# Altium PCB Calipso V2.0 REV4.2.PcbDoc (part 5 of 5)
Units mm, origin at the board's own origin, x right, y up, seen from the top; angles counter-clockwise.
Board outline 192.5 x 156.5 mm, 2 copper layers (Top Layer, Bottom Layer); 418 components, 329 nets, 1534 pads, 1623 vias.
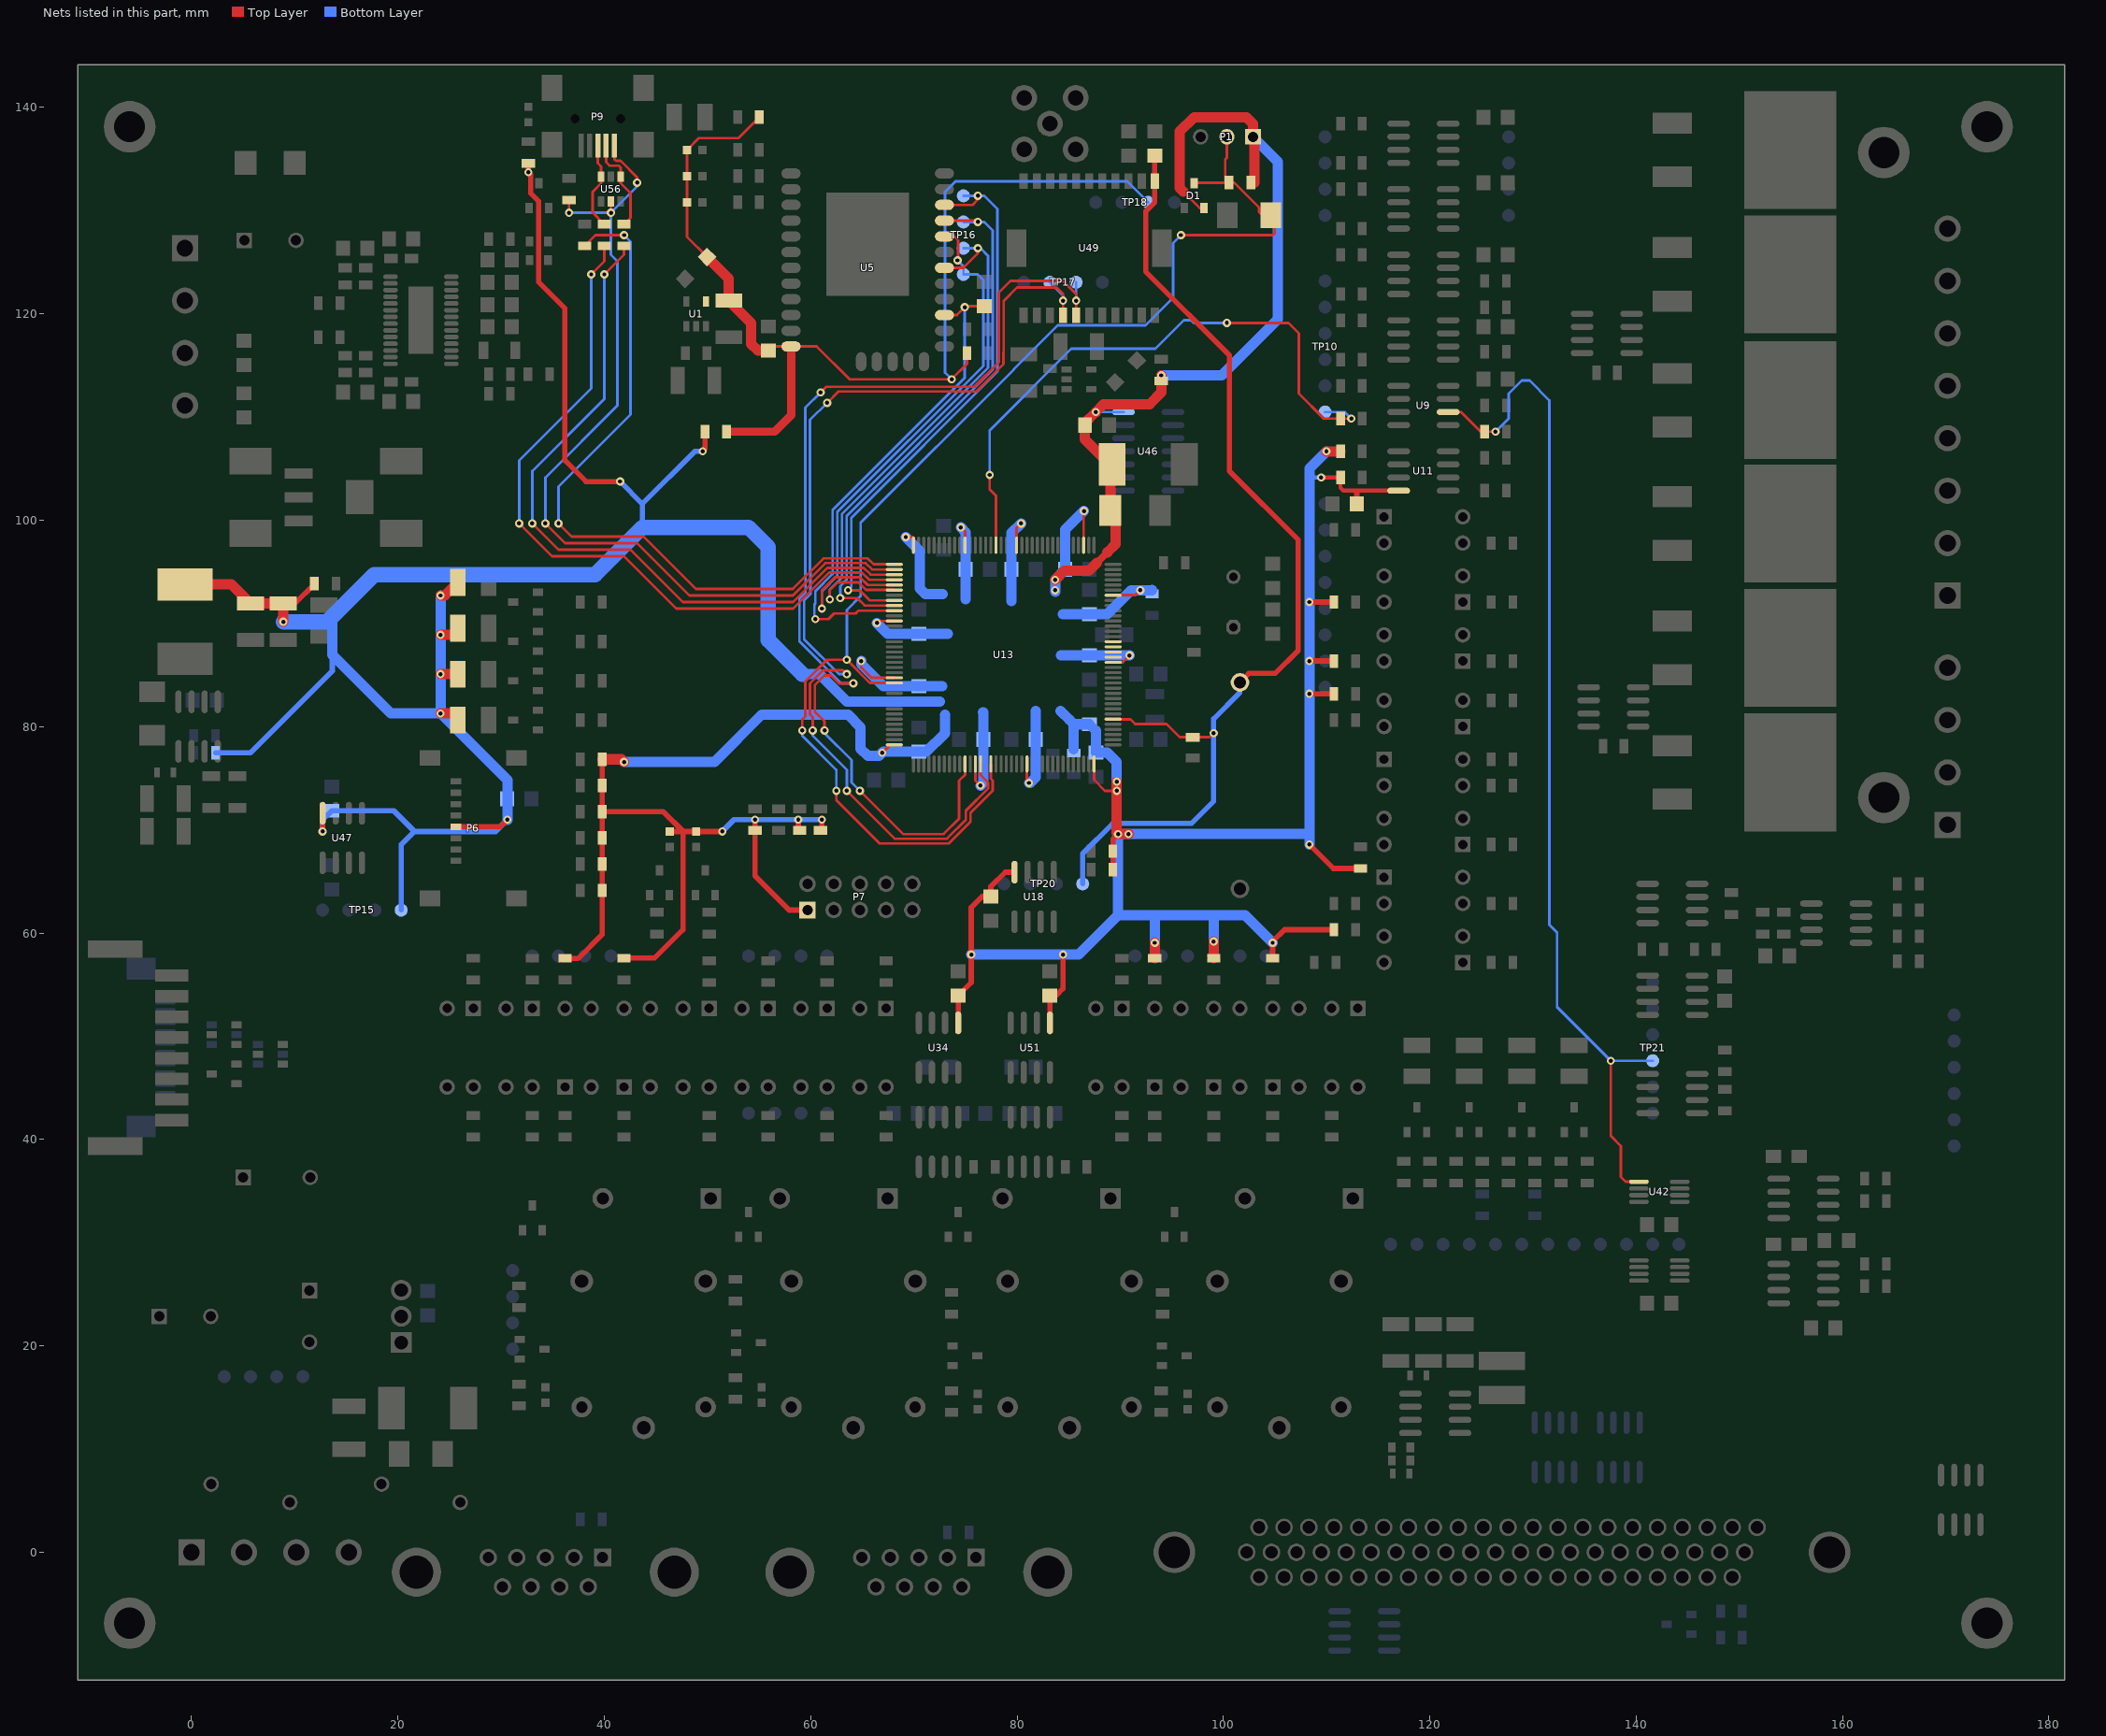
[diagram p5: the nets of this part, all layers, seen from the top]

## Via types
v1: diameter 0.8, hole 0.4, Top Layer to Bottom Layer, tented both sides, 1607 vias
v2: diameter 0.8, hole 0.4, Top Layer to Bottom Layer, 12 vias
v3: diameter 1.5, hole 1, Top Layer to Bottom Layer, 2 vias
v4: diameter 3, hole 2, Top Layer to Bottom Layer, 2 vias

## Nets (pads, with @x,y where several pads share a name; then routed paths per layer and width w, separated by ;. In a path a pad name is that pad's centre, name@x,y a point inside that pad or via, vN(x,y) a via of type N, cw(c..) or ccw(c..) an arc to the next point about the centre after c; other vN are vias at no path point) (continued)
USART2_RX: TP17.3 U13.122 U49.4 | length 102
  Top Layer w0.254: v1(60.198,79.629) 60.198,80.93 59.944,81.184 59.944,84.201 61.214,85.471 63.119,85.471 v1(63.5,85.09) ; v1(61.595,111.379) 62.7,112.484 76.042,112.484 78.686,115.128 78.686,116.312 78.706,116.332 78.706,121.251 80.01,122.555 83.82,122.555 84.455,121.92 v1(84.455,121.285) U49.4@84.455,119.865 ; v1(63.5,73.787) 68.145,69.142 73.199,69.142 75.038,70.981 75.038,71.851 77.181,73.994 77.181,74.596 76.459,75.318 U13.122@76.459,76.383
  Bottom Layer w0.254: v1(60.198,79.629) 60.198,79.121 63.5,75.819 v1(63.5,73.787) ; v1(61.595,111.379) 59.944,109.728 59.944,94.957 59.963,94.938 59.963,92.856 59.363,92.256 59.363,88.453 62.726,85.09 v1(63.5,85.09) ; TP17.3@83.185,123.063 84.455,121.793 v1(84.455,121.285)
USART2_TX: TP17.2 U13.119 U49.5 | length 103.4
  Top Layer w0.254: v1(60.96,112.395) 61.503,112.938 75.854,112.938 78.232,115.316 78.232,122.047 79.375,123.19 84.455,123.19 85.725,121.92 v1(85.725,121.285) U49.5@85.725,119.865 ; v1(61.341,79.629) 61.341,80.518 60.398,81.461 60.398,84.013 61.348,84.963 61.982,84.963 62.744,84.201 v1(64.135,84.201) ; v1(64.77,73.787) 68.961,69.596 72.898,69.596 74.387,71.085 74.387,74.768 74.959,75.34 U13.119@74.959,76.383
  Bottom Layer w0.254: v1(60.96,112.395) 59.49,110.925 59.49,94.769 59.509,94.75 59.509,93.044 58.909,92.444 58.909,88.265 62.973,84.201 v1(64.135,84.201) ; v1(61.341,79.629) 61.341,79.375 63.954,76.762 63.954,74.603 v1(64.77,73.787) ; v1(85.725,121.285) TP17.2@85.725,123.063
USART3_CTS: TP16.4 U5.10 U13.80 | length 55.5
  Top Layer w0.254: v1(63.627,93.218) 64.756,93.218 65.741,92.233 U13.80@68.109,92.233 ; U13.80@68.109,92.245 U13.80@68.14,92.245 ; U5.10@72.967,130.556 75.692,130.556 76.2,131.064 v1(76.2,131.445)
  Bottom Layer w0.254: v1(63.627,93.218) 63.935,93.526 63.935,100.229 78.105,114.399 78.105,130.175 76.835,131.445 v1(76.2,131.445) TP16.4@74.803,131.445
USART3_RTS: TP16.3 U5.9 U13.81 | length 53.8
  Top Layer w0.254: v1(62.865,92.456) 64.516,92.456 65.227,91.745 U13.81@68.14,91.745 ; U5.9@72.967,129.032 76.073,129.032 v1(76.2,128.905)
  Bottom Layer w0.254: v1(62.865,92.456) 62.865,93.618 63.481,94.234 63.481,100.417 77.651,114.587 77.651,128.089 76.835,128.905 v1(76.2,128.905) TP16.3@74.803,128.905
USART3_RX: TP16.2 U5.6 U13.78 | length 54.5
  Top Layer w0.254: v1(61.849,92.329) 61.849,93.218 62.611,93.98 64.636,93.98 65.371,93.245 U13.78@68.14,93.245 ; U5.6@72.967,124.46 74.803,124.46 76.2,125.857 v1(76.2,126.365)
  Bottom Layer w0.254: v1(61.849,92.329) 61.849,93.244 63.027,94.422 63.027,100.605 77.197,114.775 77.197,125.622 76.454,126.365 v1(76.2,126.365) TP16.2@74.803,126.365
USART3_TX: TP16.1 U5.8 U13.77 | length 55.2
  Top Layer w0.254: v1(61.087,91.44) 61.087,93.218 62.357,94.488 64.77,94.488 65.525,93.733 U13.77@68.109,93.733 ; U5.8@72.967,127.508 73.914,127.508 74.295,127.127 74.295,125.222 74.269,125.222 v1(74.234,125.187)
  Bottom Layer w0.254: v1(61.087,91.44) 61.087,93.124 62.573,94.61 62.573,100.793 76.743,114.963 76.743,123.282 76.2,123.825 TP16.1@74.803,123.825 74.803,124.618 v1(74.234,125.187)
USART6_RX: D1.3 D4.1 P1.2 R11.1 U13.96 U13.124 | length 130
  Top Layer w0.254: v1(59.182,79.629) 59.182,80.688 59.49,80.996 59.49,84.389 61.588,86.487 v1(63.5,86.487) 65.742,84.245 U13.96@68.14,84.245 ; v1(62.484,73.787) 62.484,72.898 66.694,68.688 73.387,68.688 75.492,70.793 75.492,71.663 77.635,73.806 77.635,74.784 77.459,74.96 U13.124@77.459,76.383 ; v1(95.885,127.635) 97.135,127.635 97.155,127.615 97.175,127.635 104.775,127.635 104.97,127.83 104.97,129.54 103.759,129.54 103.451,129.848 103.451,130.31 101.046,132.715 R11.1@100.175,132.715 ; D1.3@97.155,132.645 97.225,132.715 R11.1@100.175,132.715 ; P1.2@100.33,137.16 100.33,135.128 100.175,134.973 R11.1@100.175,132.715
  Bottom Layer w0.254: v1(59.182,79.629) 59.182,79.121 62.484,75.819 v1(62.484,73.787) ; v1(63.5,86.487) 63.5,91.32 64.843,92.663 64.843,99.761 79.686,114.604 79.686,114.625 83.952,118.891 92.454,118.891 95.123,121.56 95.123,126.873 v1(95.885,127.635)
USB_ID: R165.1 U13.73 | length 72
  Top Layer w0.254: v1(35.56,99.695) 36.83,98.425 43.815,98.425 48.895,93.345 58.272,93.345 61.231,96.304 65.522,96.304 66.093,95.733 U13.73@68.109,95.733 ; R165.1@38.1,126.585 39.15,127.635 v1(41.91,127.635)
  Bottom Layer w0.254: v1(35.56,99.695) 35.56,103.251 42.545,110.236 42.545,127 v1(41.91,127.635)
USB_N: R163.1 U13.75 | length 70.5
  Top Layer w0.254: v1(33.02,99.695) 35.56,97.155 42.545,97.155 47.625,92.075 58.286,92.075 61.607,95.396 65.146,95.396 65.809,94.733 U13.75@68.109,94.733 ; v1(40.005,123.825) 41.91,125.73 R163.1@41.91,126.585
  Bottom Layer w0.254: v1(33.02,99.695) 33.02,104.775 40.005,111.76 v1(40.005,123.825)
USB_P: R164.1 U13.76 | length 71.8
  Top Layer w0.254: v1(31.75,99.695) 34.925,96.52 41.91,96.52 46.99,91.44 58.293,91.44 61.795,94.942 64.958,94.942 65.667,94.233 U13.76@68.109,94.233 ; v1(38.735,123.825) 40.005,125.095 R164.1@40.005,126.585
  Bottom Layer w0.254: v1(31.75,99.695) 31.75,105.791 38.735,112.776 v1(38.735,123.825)
USB_VBUS: P9.1 R162.2 U13.74 U56.5 | length 86.6
  Top Layer w0.254: v1(34.29,99.695) 36.195,97.79 43.18,97.79 48.26,92.71 58.279,92.71 61.419,95.85 65.334,95.85 65.951,95.233 U13.74@68.109,95.233 ; v1(36.576,129.794) R162.2@36.576,131.03 ; v1(40.64,129.794) U56.5@40.64,130.88 ; P9.1@40.97,136.295 40.97,134.998 41.148,134.82 41.59,134.82 43.18,133.23 v1(43.18,132.715)
  Bottom Layer w0.254: v1(34.29,99.695) 34.29,104.14 41.275,111.125 41.275,125.095 40.64,125.73 v1(40.64,129.794) ; v1(36.576,129.794) v1(40.64,129.794) ; v1(43.18,132.715) 43.18,132.334 v1(40.64,129.794)
USBCON_N: P9.2 R163.2 U56.1 | length 9.4
  Top Layer w0.254: P9.2@40.17,136.295 40.17,134.709 40.513,134.366 41.402,134.366 41.59,134.178 U56.1@41.59,133.28 41.59,132.654 42.545,131.699 42.545,129.32 R163.2@41.91,128.685
USBCON_P: P9.3 R164.2 U56.3 | length 8.6
  Top Layer w0.254: P9.3@39.37,136.295 39.37,134.62 39.69,134.3 U56.3@39.69,133.28 39.69,132.654 38.862,131.826 38.862,129.828 R164.2@40.005,128.685
V5V_IMON: U13.21
V5V_VMON: U13.20
VBAT: C69.2 C91.2 P12.2 TP20.4 U13.6 U49.12 | length 102.3
  Top Layer w0.254: U13.6@89.34,80.745 89.375,80.71 90.994,80.71 91.44,80.264 94.488,80.264 95.774,78.978 C91.2@97.028,78.978 98.663,78.978 v1(99.06,79.375)
  Top Layer w0.5: C69.2@93.345,135.35 U49.12@93.345,132.865 93.345,130.81 92.456,129.921 92.456,124.104 100.584,115.976 100.584,104.775 107.257,98.102 107.257,87.391 105.014,85.148 102.453,85.148 P12.2@101.6,84.295
  Bottom Layer w0.5: TP20.4@86.36,64.77 86.36,67.691 89.281,70.612 96.901,70.612 99.06,72.771 v1(99.06,79.375) 99.06,80.772 101.6,83.312 P12.2@101.6,84.295
VCC: C12.2 C13.2 C17.2 C19.1 C21.1 C22.2 C27.2 C45.2 C46.2 C47.2 C48.2 C49.2 C51.2 C52.2 C54.2 C55.2 C56.2 C57.2 C58.2 C60.1 C72.2 C93.2 D1.2 GPS1.2 L4.1 L5.1 LED1.2 LED2.2 LED11.2 LED12.2 LED13.2 LED14.2 P1.1 P6.5 P7.1 R11.2 R32.1 R35.2 R41.2 R43.2 R47.2 R54.2 R55.2 R57.2 R60.2 R63.1 R65.1 R66.1 R67.2 R68.2 R72.2 R74.2 R78.2 R83.2 R89.2 R90.2 R98.2 R99.2 R100.2 R139.1 R140.1 R151.1 R152.1 R161.1 TP15.4 U11.8 U13.17 U13.30 U13.39 U13.52 U13.62 U13.72 U13.84 U13.95 U13.108 U13.121 U13.131 U13.144 U18.8 U34.1 U46.14 U47.8 U51.1 WIFI1.2 | length 747.3
  Top Layer w0.254: v1(64.897,86.36) 64.897,85.732 65.884,84.745 U13.95@68.14,84.745 ; v1(66.421,90.043) 66.421,90.193 66.369,90.245 U13.84@68.14,90.245 ; v1(66.929,77.47) 67.704,78.245 U13.108@68.14,78.245 ; v1(69.215,98.37) 69.905,98.37 69.959,98.316 U13.72@69.959,97.583 ; v1(74.549,99.314) 74.959,98.904 U13.62@74.959,97.583 ; U13.121@75.959,76.383 75.959,74.79 v1(76.454,74.295) ; U13.52@79.959,97.583 79.959,99.263 v1(80.391,99.695) ; U13.131@80.959,76.383 80.959,74.743 v1(81.153,74.549) ; U51.1@83.185,51.295 U51.1@83.185,51.562 ; U13.39@86.459,97.583 86.459,100.872 v1(86.487,100.9) ; U13.144@87.459,76.383 87.459,74.849 88.521,73.787 v1(89.662,73.787) ; U13.17@89.34,86.245 90.247,86.245 v1(90.902,86.9) ; U13.30@89.34,92.745 91.475,92.745 v1(91.948,93.218) ; 96.137,131.824 97.715,130.245 D1.2@98.105,130.245
  Top Layer w0.384: 47.613,67.425 47.625,67.437 ; v1(109.474,104.14) R35.2@111.345,104.14 111.345,103.158 111.633,102.87 U11.8@116.98,102.87
  Top Layer w0.5: C93.2@8.89,91.945 10.03,91.945 11.904,93.819 R41.2@11.904,93.853 ; v1(12.7,69.85) U47.8@12.7,71.615 ; P6.5@25.626,70.292 29.906,70.292 v1(30.607,70.993) ; R161.1@32.639,134.586 v1(32.639,133.731) 32.855,133.515 32.855,131.695 33.655,130.895 33.655,123.063 36.195,120.523 36.195,105.791 38.227,103.759 v1(41.529,103.759) ; R89.2@36.195,57.565 36.229,57.531 37.465,57.531 39.785,59.851 R78.2@39.785,64.135 R74.2@39.785,66.675 R68.2@39.785,69.215 R67.2@39.785,71.755 R60.2@39.785,74.295 R57.2@39.785,76.835 ; R90.2@41.911,57.565 44.865,57.565 47.625,60.325 ; LED1.2@46.355,69.838 47.613,69.838 47.625,69.85 ; v1(49.53,106.68) 49.75,106.9 WIFI1.2@49.75,108.585 ; U34.1@74.296,51.295 C27.2@74.295,53.943 ; U51.1@83.185,51.562 C72.2@83.185,53.943 83.788,53.943 84.455,54.61 v1(84.455,57.912) ; R139.1@89.284,66.155 R140.1@89.284,67.933 89.284,69.091 v1@89.659,69.466 ; v1(108.331,68.58) 110.651,66.26 R72.2@113.284,66.26 ; v1(108.331,83.185) R54.2@110.335,83.185
  Top Layer w0.524: R67.2@40.16,71.755 45.72,71.755 47.625,69.85 ; 47.625,60.325 47.625,67.437 47.625,69.85 ; v1(51.435,69.85) 47.625,69.85 ; v1(54.61,70.993) R63.1@54.61,69.943 54.61,65.532 57.912,62.23 P7.1@59.69,62.23 ; v1(58.801,70.993) 58.801,70.07 R65.1@58.928,69.943 ; R66.1@60.96,69.943 61.087,70.07 v1(61.087,70.993) ; C27.2@74.295,53.943 75.565,55.213 v1(75.565,57.912) 75.565,62.484 76.613,63.532 C12.2@77.47,63.532 77.47,64.516 78.854,65.9 U18.8@79.756,65.9 ; R100.2@104.775,57.94 v1(104.775,59.055) 104.775,59.182 105.918,60.325 R83.2@110.335,60.325 ; v1(108.331,86.36) R47.2@110.335,86.36 ; v1(108.331,92.075) R43.2@110.335,92.075 ; C21.1@112.935,101.6 112.935,102.838
  Top Layer w0.7: 87.757,95.898 88.76,96.901
  Top Layer w1: L5.1@-0.635,93.783 3.877,93.783 C22.2@5.715,91.945 C93.2@8.89,91.945 v1(8.89,90.17) ; v1(24.13,81.28) 25.805,81.28 LED14.2@25.805,80.645 ; v1(24.13,85.09) LED13.2@25.805,85.09 ; v1(24.13,88.9) LED12.2@25.527,88.9 ; v1(24.13,92.71) 24.535,92.71 LED11.2@25.805,93.98 ; R57.2@39.835,76.835 41.656,76.835 v1(41.91,76.581) ; v1(83.693,94.234) 84.582,95.123 86.982,95.123 87.757,95.898 ; 88.76,96.901 89.535,97.676 89.535,100.465 L4.1@89.035,100.965 89.035,105.235 C19.1@89.21,105.41 89.027,105.41 86.582,107.855 C17.2@86.582,109.22 86.582,109.442 v1(87.63,110.49) 88.392,111.252 92.837,111.252 93.98,112.395 GPS1.2@93.98,113.504 v1(93.98,114.046) ; v1@89.662,74.649 v1(89.662,73.787) 89.662,69.723 v1(89.789,69.596) v1(90.805,69.596) ; R98.2@93.345,57.565 v1(93.345,59.055) ; 96.137,131.824 95.758,132.202 95.758,137.668 97.155,139.065 102.235,139.065 102.87,138.43 P1.1@102.87,137.16 103.025,137.005 R11.2@103.025,132.715 ; R99.2@99.06,57.565 v1(99.06,59.182) ; v1(109.982,106.68) R32.1@111.345,106.68
  Bottom Layer w0.254: v1(87.63,110.49) U46.14@90.31,110.49
  Bottom Layer w0.384: 108.331,104.013 108.331,104.14 v1(109.474,104.14)
  Bottom Layer w0.5: R55.2@2.32,77.47 5.715,77.47 13.642,85.397 13.642,86.942 ; TP15.4@20.32,62.23 20.32,68.58 21.59,69.85 ; v1(41.529,103.759) 43.688,101.6 ; 43.688,99.314 43.688,101.6 ; v1(49.53,106.68) 48.768,106.68 43.688,101.6
  Bottom Layer w0.524: v1(12.7,69.85) 12.7,70.961 C13.2@13.589,71.85 19.59,71.85 21.59,69.85 29.464,69.85 v1(30.607,70.993) ; v1(51.435,69.85) 52.578,70.993 v1(54.61,70.993) v1(58.801,70.993) v1(61.087,70.993)
  Bottom Layer w1: 13.642,90.678 13.642,86.942 19.304,81.28 v1(24.13,81.28) ; v1(24.13,92.71) v1(24.13,88.9) v1(24.13,85.09) v1(24.13,81.28) ; v1(30.607,70.993) 30.607,74.803 v1(24.13,81.28) ; v1(41.91,76.581) 50.673,76.581 55.245,81.153 63.627,81.153 64.84,79.94 64.84,77.862 65.543,77.159 66.618,77.159 v1(66.929,77.47) 67.024,77.565 71.215,77.565 73.015,79.365 73.015,81.143 ; 59.182,85.09 60.833,85.09 63.5,82.423 72.517,82.423 ; v1(64.897,86.36) 64.897,86.06 67.042,83.915 C52.2@70.485,83.915 72.739,83.915 ; v1(66.421,90.043) 67.469,88.995 73.311,88.995 ; v1(69.215,98.37) 70.58,97.005 70.58,93.377 71.12,92.837 72.771,92.837 ; v1(74.549,99.314) 75.025,98.838 75.025,92.361 ; v1(75.565,57.912) v1(84.455,57.912) 85.979,57.912 89.789,61.722 ; v1(76.454,74.295) 76.74,74.581 76.74,81.375 76.708,81.407 ; 79.47,92.17 79.47,98.774 v1(80.391,99.695) ; v1(81.153,74.549) 81.28,74.549 81.82,75.089 81.82,81.502 ; v1@83.693,93.091 v1(83.693,93.218) v1(83.693,94.234) 83.693,94.266 C45.2@84.677,95.25 84.677,99.09 v1(86.487,100.9) ; 84.201,81.534 85.09,80.645 85.49,80.245 ; 84.233,86.9 v1(90.902,86.9) ; 84.423,90.9 88.741,90.9 91.059,93.218 v1(91.948,93.218) 93.063,93.218 R151.1@93.091,93.246 ; R152.1@85.49,77.82 85.49,80.245 ; v1(89.662,73.787) v1(89.662,74.676) 89.662,76.581 88.741,77.502 C58.2@87.63,77.502 87.63,79.597 C54.2@86.995,80.232 85.503,80.232 85.49,80.245 ; v1(93.345,59.055) 93.345,61.595 93.472,61.722 ; v1(93.98,114.046) 99.854,114.046 105.283,119.475 105.283,134.747 P1.1@102.87,137.16 ; v1(99.06,59.182) 99.06,61.468 99.314,61.722 ; v1(104.775,59.055) 102.108,61.722 99.314,61.722 ; v1(108.331,68.58) 108.331,69.596 ; 108.331,104.013 v1(108.331,92.075) v1(108.331,86.36) v1(108.331,83.185) 108.331,69.596 ; 108.331,104.14 108.331,105.029 v1(109.982,106.68) ; 89.789,61.722 v1(89.789,69.596) v1(90.805,69.596) 108.331,69.596 ; 89.789,61.722 93.472,61.722 ; 93.472,61.722 99.314,61.722
  Bottom Layer w1.5: v1(8.89,90.17) 13.134,90.17 13.642,90.678 17.706,94.742 39.116,94.742 43.688,99.314 53.975,99.314 55.88,97.409 55.88,88.392 59.182,85.09
VDD_IMON: U13.19
VDD_VMON: U13.18
VM_CSN: R30.1 TP10.6 U13.56 | length 60.6
  Top Layer w0.254: v1(77.343,104.394) 77.343,102.997 77.959,102.381 U13.56@77.959,97.583 ; v1(100.33,119.126) 106.299,119.126 107.315,118.11 107.315,112.268 109.728,109.855 R30.1@110.97,109.855 ; R30.1@111.345,109.855 v1(112.395,109.855)
  Bottom Layer w0.254: v1(77.343,104.394) 77.343,108.708 85.256,116.621 93.394,116.621 96.153,119.38 96.854,119.38 97.108,119.126 v1(100.33,119.126) ; TP10.6@109.855,110.49 111.76,110.49 v1(112.395,109.855)
VMON_NCS: R31.1 TP21.4 U9.6 U42.5 | length 99
  Top Layer w0.254: U9.6@121.78,110.49 123.035,110.49 124.94,108.585 v1(126.365,108.585) ; v1(137.541,47.625) 137.541,40.351 138.522,39.37 138.522,36.357 138.979,35.9 U42.5@140.265,35.9 U42.5@140.224,35.941
  Bottom Layer w0.254: v1(126.365,108.585) 127.635,109.855 127.635,112.268 128.905,113.538 129.667,113.538 131.592,111.613 131.592,60.799 132.334,60.057 132.334,52.832 v1(137.541,47.625) TP21.4@141.605,47.625
WIFI3V3: C5.2 C6.1 L1.1 LINK1.2 PWR1.2 R9.1 R28.2 RUN1.2 TP18.3 U1.4 U5.24 WIFI1.1 | length 107.3
  Top Layer w0.254: L1.1@49.956,125.521 48.018,127.458 LINK1.2@48.018,130.81 PWR1.2@48.018,133.35 RUN1.2@48.018,135.89 49.161,137.033 52.993,137.033 R9.1@55.025,139.065 ; C6.1@55.88,116.427 56.293,116.84 U5.24@58.097,116.84 ; U5.24@58.155,116.84 60.579,116.84 63.754,113.665 v1(73.66,113.665) 75.15,115.155 75.15,115.985 74.93,116.205 R28.2@75.15,116.205
  Top Layer w0.384: U5.24@58.097,116.84 U5.24@58.155,116.84
  Top Layer w0.8: WIFI1.1@51.85,108.585 56.515,108.585 58.132,110.202 58.132,116.817 U5.24@58.155,116.84
  Top Layer w1: L1.1@49.956,125.521 52.07,123.406 C5.2@52.07,121.282 54.229,119.123 54.229,117.094 54.896,116.427 C6.1@55.88,116.427
  Bottom Layer w0.254: v1(73.66,113.665) 73.025,114.3 73.025,131.826 74.041,132.842 90.678,132.842 TP18.3@92.71,130.81
WIFI_RST: C16.1 U5.3 U13.82 | length 48.6
  Top Layer w0.254: v1(60.452,90.424) 61.722,90.424 62.265,90.967 64.351,90.967 64.629,91.245 U13.82@68.14,91.245 ; U5.3@72.967,119.888 74.168,119.888 75.025,120.745 C16.1@76.835,120.745
  Bottom Layer w0.254: v1(60.452,90.424) 60.36,90.516 60.36,91.833 60.452,91.925 60.452,93.131 62.119,94.798 62.119,100.981 74.93,113.792 v1(74.93,120.65)
pads on no net: J8.6 J8.8 J9.6 J9.8 K1.3 K2.3 K3.3 K4.3 P4.63 P4.64 P6.0 P7.7 P9.MH1 P9.MH2 P11.4 P11.7 P11.11 P11.12 TP9.6 TP18.4 U5.1 U5.4 U5.7 U5.11 U5.12 U5.13 U5.16 U5.17 U5.18 U5.19 U5.20 U5.21 U5.22 U5.26 U5.27 U5.28 U5.29 U5.30 U7.5 U7.8 U10.4 U10.5 U13.3 U13.26 U13.27 U13.35 U13.36 U13.43 U13.44 U13.45 U13.48 U13.49 U13.50 U13.79 U13.86 U13.91 U13.92 U13.93 U13.100 U13.123 U13.125 U13.126 U13.127 U13.132 U22.4 U22.5 U25.4 U35.5 U41.1 U41.5 U41.8 U44.1 U44.5 U44.8 U49.1 U49.2 U49.7 U49.9 U49.10 U49.11 U49.14 U49.15 U49.16 U49.19 U49.23 U49.24 U52.5 U54.5 U54.8 U55.4 U56.4 U56.6 U58.1 U58.8 U59.1 U59.8

## Polygon pours and split planes (outlines as drawn)
no net on Top Overlay "Top Overlay-No Net" (solid): 46.99,96.52 57.903,96.52 55.345,100.951 54.352,102.668 52.447,105.973
no net on Mechanical 13 "Top Overlay-No Net" (solid): 46.99,96.52 57.903,96.52 55.345,100.951 54.352,102.668 52.447,105.973
no net on Bottom Overlay "Bottom Overlay-No Net" (solid): 23.56,108.295 23.335,108.708 23.192,109.164 23.143,109.652 23.143,113.302 23.194,113.787 23.342,114.241 23.573,114.654 23.876,115.016 24.239,115.315 24.652,115.541 25.101,115.685 25.576,115.735 29.225,115.735 29.714,115.685 30.17,115.543 30.583,115.318 30.943,115.02 31.241,114.66 31.466,114.246 31.608,113.791 31.658,113.302 31.658,109.652 31.609,109.16 31.468,108.703 31.244,108.289 30.948,107.93 30.588,107.633 30.175,107.41 29.717,107.269 29.225,107.22 25.576,107.22 25.087,107.269 24.631,107.412 24.218,107.637 23.857,107.934
no net on Bottom Overlay "Bottom Overlay-No Net" (solid): 36.597,105.237 36.581,105.289 36.575,105.343 36.575,105.484 36.583,105.541 36.6,105.594 36.627,105.642 36.661,105.683 36.703,105.717 36.75,105.743 36.802,105.76 36.857,105.765 37.56,105.765 37.56,104.781 37.419,104.781 37.419,105.062 36.857,105.062 36.799,105.068 36.746,105.085 36.698,105.112 36.657,105.147 36.623,105.189
no net on Bottom Overlay "Bottom Overlay-No Net" (solid): 35.013,104.864 34.978,104.905 34.952,104.953 34.936,105.006 34.93,105.062 34.93,105.484 34.936,105.54 34.953,105.593 34.98,105.64 35.015,105.682 35.057,105.717 35.105,105.743 35.157,105.759 35.211,105.765 35.633,105.765 35.69,105.76 35.742,105.743 35.79,105.717 35.832,105.683 35.866,105.641 35.892,105.593 35.909,105.541 35.914,105.484 35.914,105.062 35.909,105.005 35.892,104.952 35.867,104.905 35.832,104.863 35.791,104.829 35.743,104.803 35.69,104.787 35.633,104.781 35.211,104.781 35.155,104.787 35.102,104.803 35.054,104.829
no net on Bottom Overlay "Bottom Overlay-No Net" (solid): 5.708,104.864 5.674,104.905 5.648,104.953 5.631,105.006 5.625,105.062 5.625,105.484 5.631,105.54 5.648,105.593 5.675,105.64 5.71,105.682 5.752,105.717 5.8,105.743 5.852,105.759 5.907,105.765 6.328,105.765 6.385,105.76 6.438,105.743 6.485,105.717 6.527,105.683 6.561,105.641 6.587,105.593 6.604,105.541 6.61,105.484 6.61,105.062 6.604,105.005 6.588,104.952 6.562,104.905 6.528,104.863 6.486,104.829 6.438,104.803 6.385,104.787 6.328,104.781 5.907,104.781 5.85,104.787 5.797,104.803 5.75,104.829
no net on Bottom Overlay "Bottom Overlay-No Net" (solid): 7.93,104.864 7.895,104.905 7.869,104.953 7.853,105.006 7.847,105.062 7.847,105.484 7.853,105.54 7.87,105.593 7.897,105.64 7.932,105.682 7.974,105.717 8.022,105.743 8.073,105.759 8.128,105.765 8.55,105.765 8.607,105.76 8.659,105.743 8.707,105.717 8.749,105.683 8.783,105.641 8.809,105.593 8.826,105.541 8.831,105.484 8.831,105.062 8.826,105.005 8.809,104.952 8.784,104.905 8.749,104.863 8.708,104.829 8.66,104.803 8.607,104.787 8.55,104.781 8.128,104.781 8.072,104.787 8.019,104.803 7.971,104.829
no net on Bottom Overlay "Bottom Overlay-No Net" (solid): 15.227,104.866 15.193,104.908 15.167,104.955 15.151,105.007 15.145,105.062 15.145,105.132 15.152,105.189 15.17,105.242 15.196,105.29 15.231,105.332 15.272,105.366 15.32,105.392 15.371,105.408 15.426,105.414 15.989,105.414 15.989,105.765 16.13,105.765 16.13,104.781 15.426,104.781 15.369,104.787 15.316,104.804 15.268,104.831
no net on Bottom Overlay "Bottom Overlay-No Net" (solid): 17.449,105.147 17.414,105.189 17.389,105.237 17.373,105.289 17.367,105.343 17.367,105.484 17.374,105.541 17.392,105.594 17.418,105.642 17.453,105.683 17.494,105.717 17.541,105.743 17.593,105.76 17.648,105.765 18.351,105.765 18.351,104.781 18.211,104.781 18.211,105.062 17.648,105.062 17.591,105.068 17.538,105.085 17.49,105.112
no net on Bottom Overlay "Bottom Overlay-No Net" (solid): 20.671,104.781 20.812,104.781 20.812,105.062 21.515,105.062 21.515,104.781 21.656,104.781 21.656,105.484 21.65,105.539 21.634,105.591 21.608,105.639 21.574,105.681 21.533,105.716 21.485,105.742 21.432,105.759 21.375,105.765 20.953,105.765 20.898,105.76 20.846,105.743 20.799,105.717 20.757,105.683 20.723,105.642 20.696,105.594 20.679,105.541 20.671,105.484
no net on Bottom Overlay "Top Overlay-No Net" (solid): 359 vertices, not listed, extent 38.454,134.545 44.831,140.76
IGND on Top Layer "Mechanical 5-No Net" (solid, pour order 11): 17.145,5.08 19.05,3.175 19.05,-6.985 21.59,-9.525 170.815,-9.525 170.815,-5.08 173.355,-2.54 179.07,-2.54 179.07,67.31 178.435,67.945 151.13,67.945 147.32,71.755 147.32,143.51 121.92,143.51 121.92,53.34 114.935,46.355 20.955,46.355 17.145,42.545
AGND on Top Layer "Mechanical 2-No Net" (solid, pour order 13): 5.715,5.08 5.715,20.32 5.08,20.955 5.08,27.94 13.97,36.83 13.97,44.45 20.955,51.435 113.665,51.435 116.84,54.61 116.84,143.51 76.835,143.51 75.565,142.24 75.565,137.795 73.66,135.89 57.658,135.89 56.515,137.033 56.515,140.97 54.61,142.875 53.975,143.51 0,143.51 0,136.525 -3.81,132.715 -10.795,132.715 -10.795,-10.16 8.89,-10.16 8.89,1.905
AGND on Bottom Layer "Mechanical 2-No Net 1" (solid, pour order 10): 5.715,5.08 5.715,20.32 5.08,20.955 5.08,27.94 13.97,36.83 13.97,44.45 20.955,51.435 113.665,51.435 116.84,54.61 116.84,143.51 76.835,143.51 75.565,142.24 75.565,137.795 73.66,135.89 57.658,135.89 56.515,137.033 56.515,140.97 54.61,142.875 53.975,143.51 0,143.51 0,136.525 -3.81,132.715 -10.795,132.715 -10.795,-10.16 8.89,-10.16 8.89,1.905
IGND on Bottom Layer "Mechanical 5-No Net 1" (solid, pour order 12): 17.145,5.08 19.05,3.175 19.05,-6.985 21.59,-9.525 170.815,-9.525 170.815,-5.08 173.355,-2.54 179.07,-2.54 179.07,67.31 178.435,67.945 151.13,67.945 147.32,71.755 147.32,143.51 121.92,143.51 121.92,53.34 114.935,46.355 20.955,46.355 17.145,42.545

## Other copper
Top Layer:
  rectangle net AGND: -4.826,71.12 -3.81,71.755
  rectangle net 5V: -1.27,71.12 -0.254,71.755
  rectangle net 5V: -0.127,69.85 5.08,71.12
  rectangle net 5V: 1.27,71.12 2.54,72.136
  rectangle net 5V: 3.81,71.12 5.08,72.136
  rectangle net 12V: 115.697,14.732 117.856,17.907
  rectangle net PVCC: 17.907,114.554 19.275,115.951
  rectangle net PVCC: 16.637,111.887 19.685,114.554
  rectangle net PVCC: 17.907,122.809 19.275,124.079
  rectangle net PVCC: 16.637,124.079 19.685,126.873
  rectangle net NetC9_2: 15.367,120.523 16.891,121.793
  rectangle net NetC18_2: 15.367,116.967 16.891,118.237
  rectangle net NetC18_2: 14.351,115.697 15.367,118.237
  rectangle net NetC9_2: 14.351,120.523 15.367,123.063
  rectangle net NetP3_7: 161,118.13 167,130.63
  rectangle net NetP3_7: 153,118.13 161,141.63
  region net AGND: 70.104,121.285 70.104,132.207 61.214,132.207 61.214,121.285
  rectangle net AGND: 101.854,128.905 103.124,130.175
  rectangle net AGND: 0,52.07 1.27,53.34
  rectangle net AGND: 55.88,59.69 57.15,60.96
  rectangle net AGND: 42.545,61.595 43.815,62.865
  rectangle net AGND: 36.83,61.595 38.1,62.865
  rectangle net AGND: 29.846,56.515 31.116,57.785
  rectangle net AGND: 50.8,71.755 52.07,73.025
  rectangle net AGND: 43.815,69.215 45.085,70.485
  rectangle net AGND: 8.89,43.18 11.43,44.45
  region net NetL1_2: 48.26,120.777 48.26,121.666 47.117,121.666 47.117,120.777
  rectangle net NetP3_5: 155.575,93.98 167.005,117.348
  rectangle net AGND: 72.644,80.899 82.55,93.091
  rectangle net AGND: 82.55,80.899 84.836,92.075
  rectangle net VCC: 83.058,92.583 84.328,94.869
  rectangle net AGND: 18.161,53.975 20.32,56.134
  rectangle net AGND: 57.785,96.139 59.055,98.425
  rectangle net WIFI3V3: 50.038,120.777 50.8,121.666
  pour cut-out: 26.416,66.421 35.306,66.421 35.306,75.629 26.416,75.629
Bottom Layer:
  region net AGND: 69.596,122.047 69.596,131.953 61.214,131.953 61.214,122.047
  rectangle net PVCC: -3.175,44.45 -1.905,46.355
  rectangle net AGND: 101.854,128.905 103.124,130.175
  rectangle net AGND: 0,52.07 1.27,53.34
  rectangle net AGND: 31.75,70.485 33.02,71.755
  rectangle net AGND: 55.88,59.69 57.15,60.96
  rectangle net AGND: 42.545,61.595 43.815,62.865
  rectangle net AGND: 36.83,61.595 38.1,62.865
  rectangle net AGND: 29.846,56.515 31.116,57.785
  rectangle net AGND: 50.8,71.755 52.07,73.025
  rectangle net AGND: 43.815,69.215 45.085,70.485
  rectangle net AGND: 8.89,64.135 10.922,66.167
  rectangle net AGND: 18.161,53.975 20.32,56.134
  rectangle net AGND: 8.89,43.18 11.43,44.45
  rectangle net VCC: 72.39,80.645 85.09,93.345
  rectangle net AGND: 12.065,79.375 13.335,80.645
  rectangle net AGND: 20.447,115.57 24.003,123.825
  rectangle net AGND: 57.785,96.139 59.055,98.425

## Silkscreen, mask and mechanical layers (free items; w line width, h text height)
Top Overlay:
  drawing of 698 lines, arcs and shapes, not listed
  text "Class-D  / Audio Amplifier" at 2.54,137.795 h1.52
  text "GND" at 159.893,127.508 h1.52
  text "PWM3-" at 159.893,122.428 h1.52
  text "PWM2+" at 159.893,117.348 h1.52
  text "PWM2-" at 159.893,112.395 h1.52
  text "PWM1+" at 159.893,106.934 h1.52
  text "PWM1-" at 159.893,102.235 h1.52
  text "V2" at 161.036,97.282 h1.52
  text "FAULT" at 15.875,93.345 h1.25
  text "V1" at 161.417,92.075 h1.52
  text "DWIN" at 15.875,88.9 h1.25
  text "FOOTSW" at 15.875,84.455 h1.25
  text "GND" at 160.401,83.82 h1.52
  text "SIMMER" at 15.875,80.01 h1.25
  text "PWM-" at 160,79.63 h1.52
  text "PWM+" at 160,76.13 h1.52
  text "V3" at 161.5,68.63 h1.52
  text "OT" at 117.729,52.07 h1.25
  text "OV" at 122.936,52.07 h1.25
  text "FLT" at 127.254,52.07 h1.25
  text "HV" at 133.096,52.07 h1.25
Bottom Overlay:
  drawing of 1400 lines, arcs and shapes, not listed
  text "Calipso Board V2.0 REV4.2" at 37.198,136.944 h1.52
  text "https://github.com/fxslava/Laser-LED-STM-Board-Project" at 37.325,135.293 h0.7
Mechanical 2:
  lines w0.1: 0,143.51 48.768,143.51 53.975,143.51 54.61,142.875 56.515,140.97 56.515,137.033 57.658,135.89 73.66,135.89 75.565,137.795 75.565,142.24 76.835,143.51 116.84,143.51
  lines w0.127: 0,143.51 0,136.525 -3.81,132.715 -10.795,132.715 -10.795,-10.16 8.89,-10.16 ; 13.97,36.83 13.97,44.45 20.955,51.435 113.665,51.435 116.84,54.61 116.84,99.695 116.84,143.51
  lines w0.254: 8.89,-10.16 8.89,1.905 5.715,5.08 5.715,20.32 5.08,20.955 5.08,24.511 5.08,27.94 13.97,36.83
Mechanical 3:
  lines w0.127: 20.955,65.405 20.955,74.93 29.845,74.93 29.845,65.405 20.955,65.405
Mechanical 4:
  the board outline again, w0.254
Mechanical 5:
  lines w0.127: 20.955,46.355 114.935,46.355 121.92,53.34 121.92,143.51 147.32,143.51 147.32,71.755 151.13,67.945 178.435,67.945 179.07,67.31 179.07,12.7
  lines w0.254: 20.955,46.355 17.145,42.545 17.145,17.145 17.145,5.08 19.05,3.175 19.05,-6.985 21.59,-9.525 170.815,-9.525 170.815,-5.08 173.355,-2.54 179.07,-2.54 179.07,12.7
Mechanical 13:
  drawing of 695 lines, arcs and shapes, not listed
  text "1" at 104.267,136.525 h1.52
  text "D4" at 101.6,129.286 h0.7
  text "D9" at -4.445,81.026 h0.7
  text "C91" at 98.044,77.597 h0.8
  text "C92" at -4.318,76.581 h0.7
  text "D13" at 149.225,31.877 h1
  text "D14" at 149.225,24.384 h1
  text "1" at 20.828,18.288 h0.7 r90
  text "C89" at 120.015,16.891 h0.7
  text "L2" at 126.111,16.256 h1
  text "D20" at 20.447,9.017 h1
  text "C87" at 116.332,6.223 h0.7
Mechanical 14:
  lines w0.254: -11,-12.37 181.483,-12.37 181.483,144.13 -10.888,144.13 -11,144.018 -11,-12.37
Mechanical 15:
  lines w0.127: -11,-12.37 181.483,-12.37 181.483,144.13 -11,144.13 -11,-12.37 ; 167.386,67.945 180.213,67.945 180.213,88.265 167.386,88.265 167.386,67.945 ; 167.386,90.17 180.213,90.17 180.213,130.81 167.386,130.81 167.386,90.17

## Dimensions
-6,-6.87 to 174,-6.87 on Mechanical 13
-6,138.13 to -6,-6.87 on Mechanical 13
174,138.13 to 174,-6.87 on Mechanical 13
-6,138.13 to 174,138.13 on Mechanical 13
181.5,144.13 to 181.5,-12.37 on Mechanical 13
-11,144.13 to 181.5,144.13 on Mechanical 13

## Text inside footprints (layer, text, board x,y; h text height)
C3: Top Overlay "+" at 4.572,128.143 h1.5
C34: Top Overlay "+" at 5.207,37.338 h1.5
C39: Top Overlay "+" at -3.683,23.876 h1.5
C40: Top Overlay "+" at 12.446,25.908 h1.5 r270
J8: Top Overlay "1" at 40.08,2.945 h1.5 r180; Top Overlay "5" at 29.25,2.945 h1.5 r180; Top Overlay "9" at 30.635,-6.455 h1.5 r180; Top Overlay "6" at 38.945,-6.455 h1.5 r180; Mechanical 13 "6" at 37.846,-7.874 h1.5; Mechanical 13 "9" at 29.718,-8.001 h1.5; Mechanical 13 "5" at 28.321,1.397 h1.5; Mechanical 13 "1" at 39.624,1.524 h1.5
J9: Top Overlay "1" at 76.275,2.945 h1.5 r180; Top Overlay "5" at 65.445,2.945 h1.5 r180; Top Overlay "9" at 66.83,-6.455 h1.5 r180; Top Overlay "6" at 75.14,-6.455 h1.5 r180; Mechanical 13 "6" at 74.041,-7.874 h1.5; Mechanical 13 "9" at 65.786,-7.874 h1.5; Mechanical 13 "5" at 64.389,1.397 h1.5; Mechanical 13 "1" at 75.692,1.524 h1.5
P2: Mechanical 13 "4" at 2.413,110.744 h0.8; Mechanical 13 "1" at 2.413,126.111 h0.8
P3: Mechanical 13 "8" at 167.005,128.651 h0.8 r180; Mechanical 13 "1" at 167.005,93.091 h0.8 r180
P5: Mechanical 13 "1" at 167.132,70.739 h0.8 r180; Mechanical 13 "4" at 167.132,86.106 h0.8 r180
P7: Top Overlay "2" at 59.055,66.04 h1; Top Overlay "10" at 69.215,66.04 h1; Top Overlay "9" at 69.215,59.69 h1; Top Overlay "1" at 59.69,59.69 h1; Mechanical 13 "1" at 59.69,61.595 h0.7; Mechanical 13 "9" at 69.85,61.595 h0.7; Mechanical 13 "2" at 59.69,64.77 h0.7; Mechanical 13 "10" at 69.85,64.77 h0.7
P9: Mechanical 1 "PCB Edge" at 43.406,144.577 h0.25 r180
P10: Mechanical 13 "1" at -0.127,2.286 h0.8; Mechanical 13 "4" at 14.986,2.413 h0.8
U1: Mechanical 13 "1" at 47.371,118.491 h0.6 r90
U3: Mechanical 13 "1" at 116.586,138.938 h0.5; Mechanical 15 "1" at 116.586,138.938 h0.5
U4: Mechanical 13 "1" at 116.586,132.588 h0.5; Mechanical 15 "1" at 116.586,132.588 h0.5
U6: Mechanical 13 "1" at 116.586,126.238 h0.5; Mechanical 15 "1" at 116.586,126.238 h0.5
U7: Mechanical 13 "1" at 173.101,8.763 h0.7 r270; Mechanical 15 "1" at 173.99,7.747 h0.7 r270
U8: Mechanical 13 "1" at 116.586,119.888 h0.5; Mechanical 15 "1" at 116.586,119.888 h0.5
U9: Mechanical 13 "1" at 116.586,113.538 h0.5; Mechanical 15 "1" at 116.586,113.538 h0.5
U10: Mechanical 14 "1" at 136.779,13.843 h0.7 r90; Mechanical 15 "1" at 135.89,12.827 h0.7 r90
U11: Mechanical 13 "1" at 122.174,102.362 h0.5 r180; Mechanical 15 "1" at 122.174,102.362 h0.5 r180
U12: Mechanical 13 "1" at 115.062,100.076 h0.5
U14: Mechanical 13 "1" at 123.698,92.329 h0.5 r180
U15: Mechanical 13 "1" at 123.698,86.614 h0.5 r180
U16: Mechanical 13 "1" at 123.698,80.264 h0.5 r180
U17: Mechanical 13 "1" at 115.062,76.581 h0.5
U18: Mechanical 13 "1" at 79.248,60.706 h0.5 r90; Mechanical 15 "1" at 79.248,60.706 h0.5 r90
U19: Mechanical 13 "1" at 2.286,83.693 h0.7 r270; Mechanical 15 "1" at 3.175,82.677 h0.7 r270
U20: Mechanical 13 "1" at 123.698,68.834 h0.5 r180
U21: Mechanical 13 "1" at 115.062,65.151 h0.5
U22: Mechanical 13 "1" at 146.304,60.452 h0.5 r180; Mechanical 15 "1" at 146.304,60.452 h0.5 r180
U23: Mechanical 13 "1" at 162.179,58.547 h0.5 r180; Mechanical 15 "1" at 162.179,58.547 h0.5 r180
U24: Mechanical 13 "1" at 123.698,57.404 h0.5 r180
U25: Mechanical 13 "1" at 140.716,56.388 h0.5; Mechanical 15 "1" at 140.716,56.388 h0.5
U26: Mechanical 13 "1" at 27.051,53.213 h0.5 r270
U27: Mechanical 13 "1" at 32.767,53.213 h0.5 r270
U28: Mechanical 13 "1" at 36.449,44.577 h0.5 r90
U29: Mechanical 13 "1" at 42.165,44.577 h0.5 r90
U30: Mechanical 13 "1" at 49.911,53.213 h0.5 r270
U31: Mechanical 13 "1" at 55.626,53.213 h0.5 r270
U32: Mechanical 13 "1" at 61.341,53.213 h0.5 r270
U33: Mechanical 13 "1" at 67.056,53.213 h0.5 r270
U34: Mechanical 13 "1" at 74.804,51.689 h0.5 r270; Mechanical 15 "1" at 74.804,51.689 h0.5 r270
U35: Mechanical 13 "1" at 74.804,42.545 h0.5 r270; Mechanical 15 "1" at 74.804,42.545 h0.5 r270
U36: Mechanical 13 "1" at 89.916,53.213 h0.5 r270
U37: Mechanical 13 "1" at 93.599,44.577 h0.5 r90
U38: Mechanical 13 "1" at 99.314,44.577 h0.5 r90
U39: Mechanical 13 "1" at 105.029,44.577 h0.5 r90
U40: Mechanical 13 "1" at 112.776,53.213 h0.5 r270
U41: Mechanical 13 "1" at 159.004,31.877 h0.5 r180; Mechanical 15 "1" at 159.004,31.877 h0.5 r180
U42: Mechanical 13 "1" at 144.526,33.528 h0.5 r180
U43: Mechanical 13 "1" at 144.526,25.908 h0.5 r180
U44: Mechanical 13 "1" at 159.004,23.622 h0.5 r180; Mechanical 15 "1" at 159.004,23.622 h0.5 r180
U45: Mechanical 15 "1" at 20.574,18.542 h0.5 r90
U47: Mechanical 13 "1" at 12.192,66.421 h0.5 r90; Mechanical 15 "1" at 12.192,66.421 h0.5 r90
U50: Mechanical 13 "1" at 84.455,115.189 h0.6
U51: Mechanical 13 "1" at 82.931,52.578 h0.7 r270; Mechanical 15 "1" at 83.82,51.562 h0.7 r270
U52: Mechanical 13 "1" at 82.931,43.434 h0.7 r270; Mechanical 15 "1" at 83.82,42.418 h0.7 r270
U53: Mechanical 14 "1" at 130.429,13.843 h0.7 r90; Mechanical 15 "1" at 129.54,12.827 h0.7 r90
U54: Mechanical 14 "1" at 109.982,-9.271 h0.7 r180; Mechanical 15 "1" at 110.998,-10.16 h0.7 r180
U55: Mechanical 13 "1" at 140.716,46.863 h0.5; Mechanical 15 "1" at 140.716,46.863 h0.5
U56: Mechanical 13 "1" at 42.164,133.604 h0.6 r270
U57: Mechanical 13 "1" at 117.729,15.875 h0.5; Mechanical 15 "1" at 117.729,15.875 h0.5
U58: Mechanical 13 "1" at 134.366,120.523 h0.5; Mechanical 15 "1" at 134.366,120.523 h0.5
U59: Mechanical 13 "1" at 135.001,84.328 h0.5; Mechanical 15 "1" at 135.001,84.328 h0.5